# Altium PCB V5_BASE_V17.PcbDoc (part 1 of 2)
Units mm, origin at the board's own origin, x right, y up, seen from the top; angles counter-clockwise.
Board outline 76 x 39 mm, 4 copper layers (Top Layer, Signal Layer 1, Signal Layer 2, Bottom Layer), stack 1.183 mm thick; 141 components, 216 nets, 784 pads, 332 vias.
Unrouted connection lines stored in the file: 1.
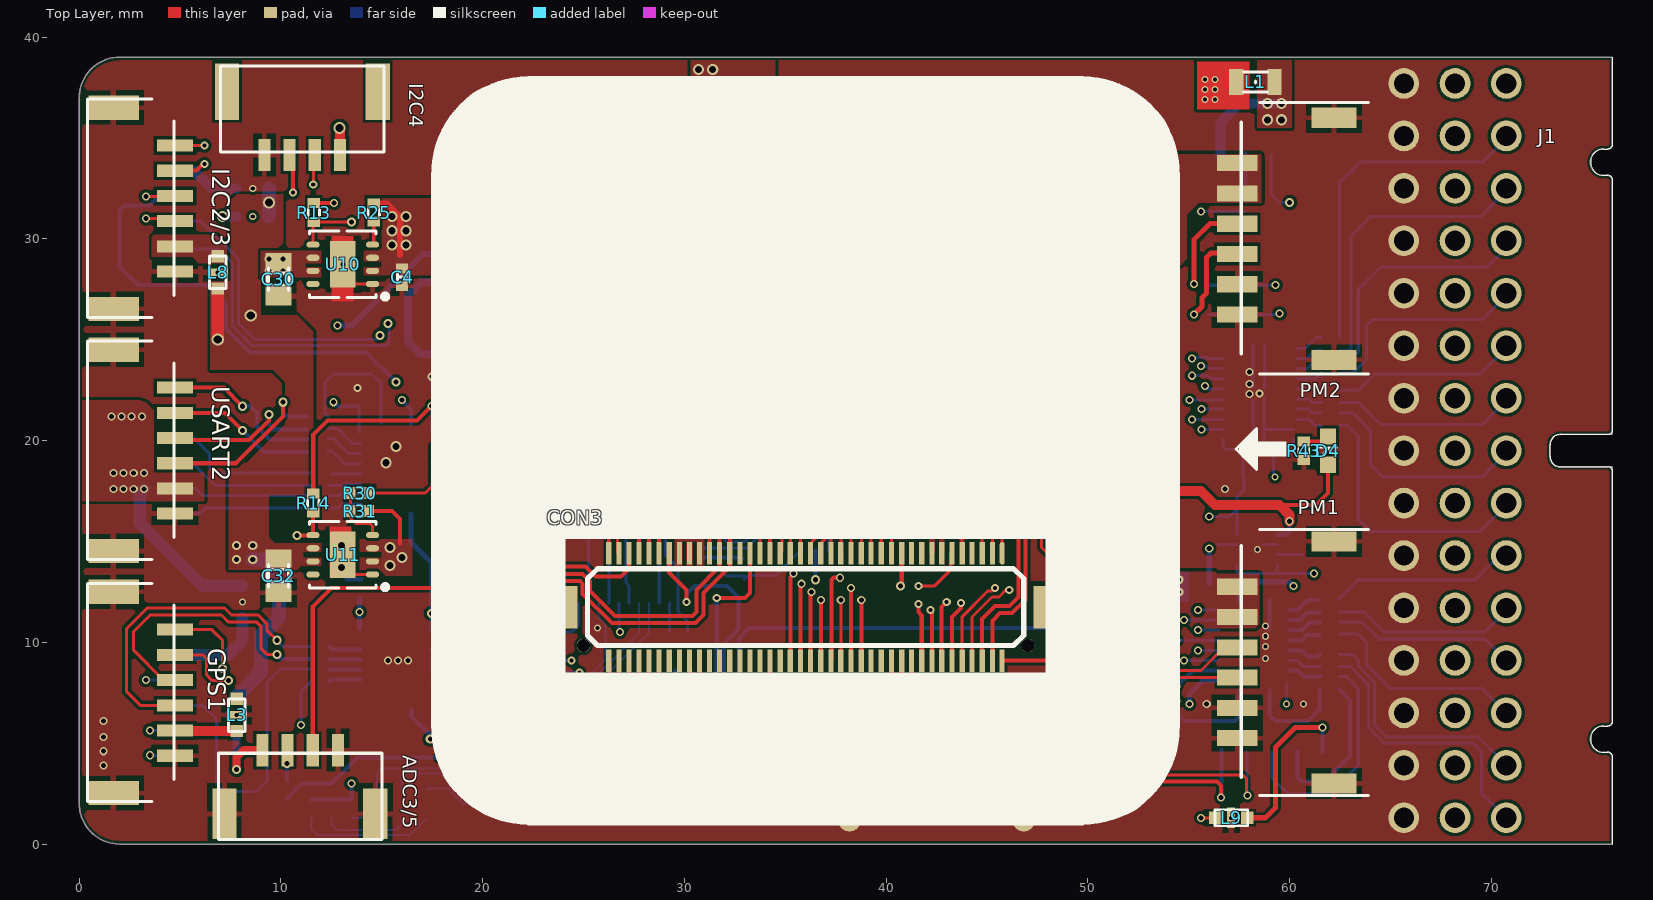
[diagram p0: Top Layer view]
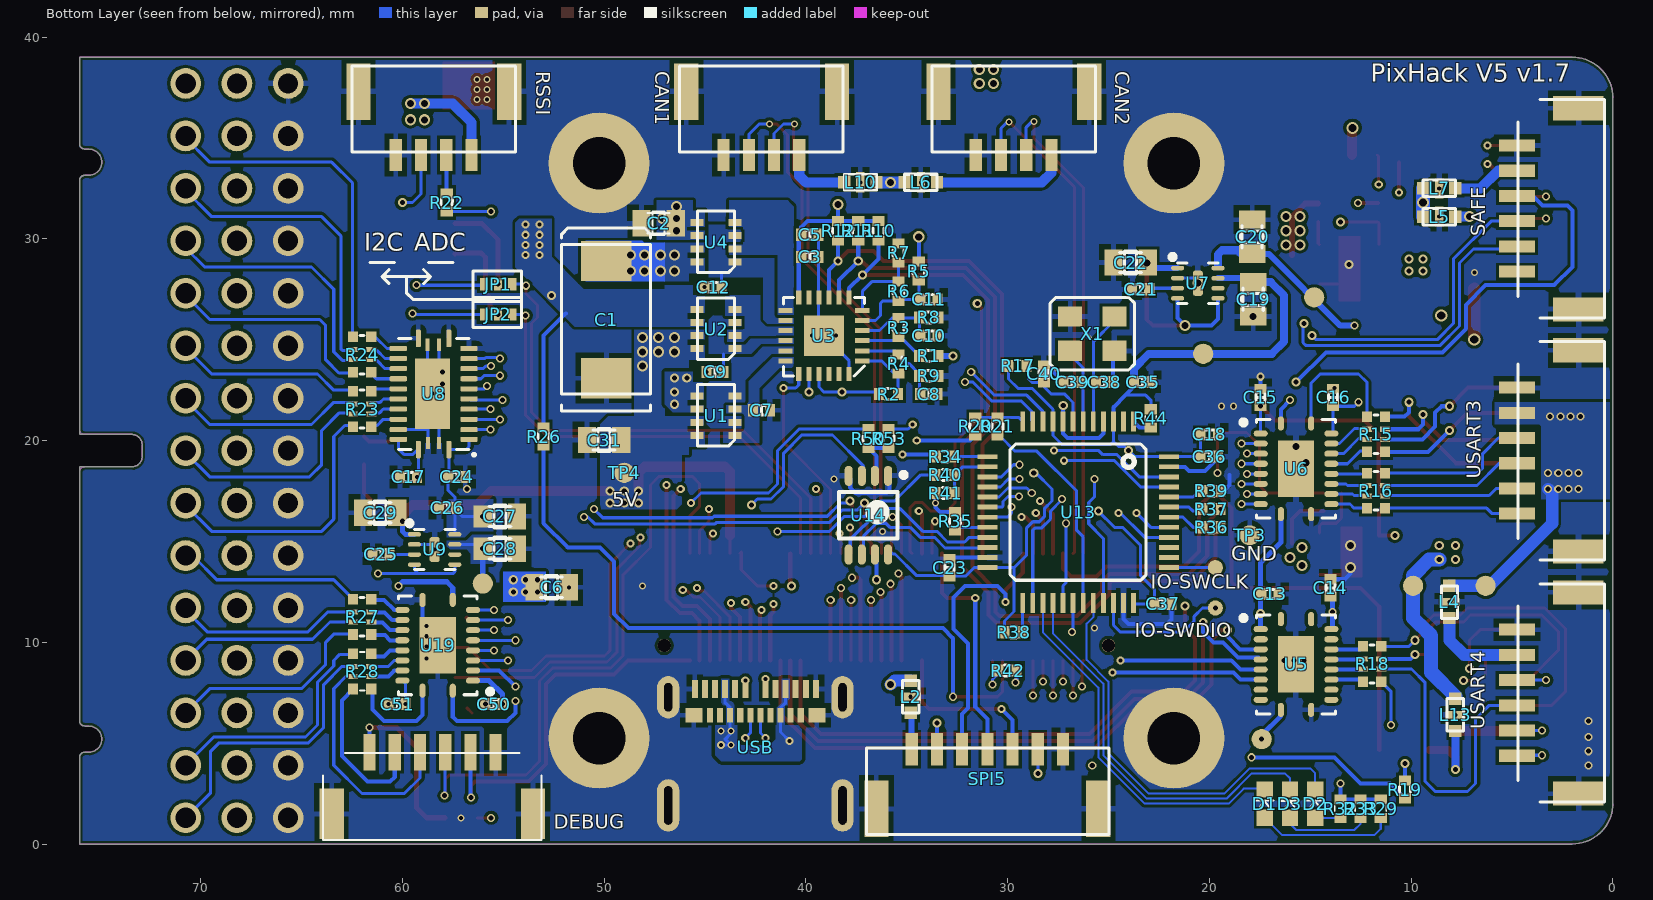
[diagram p1: Bottom Layer view, seen from below]
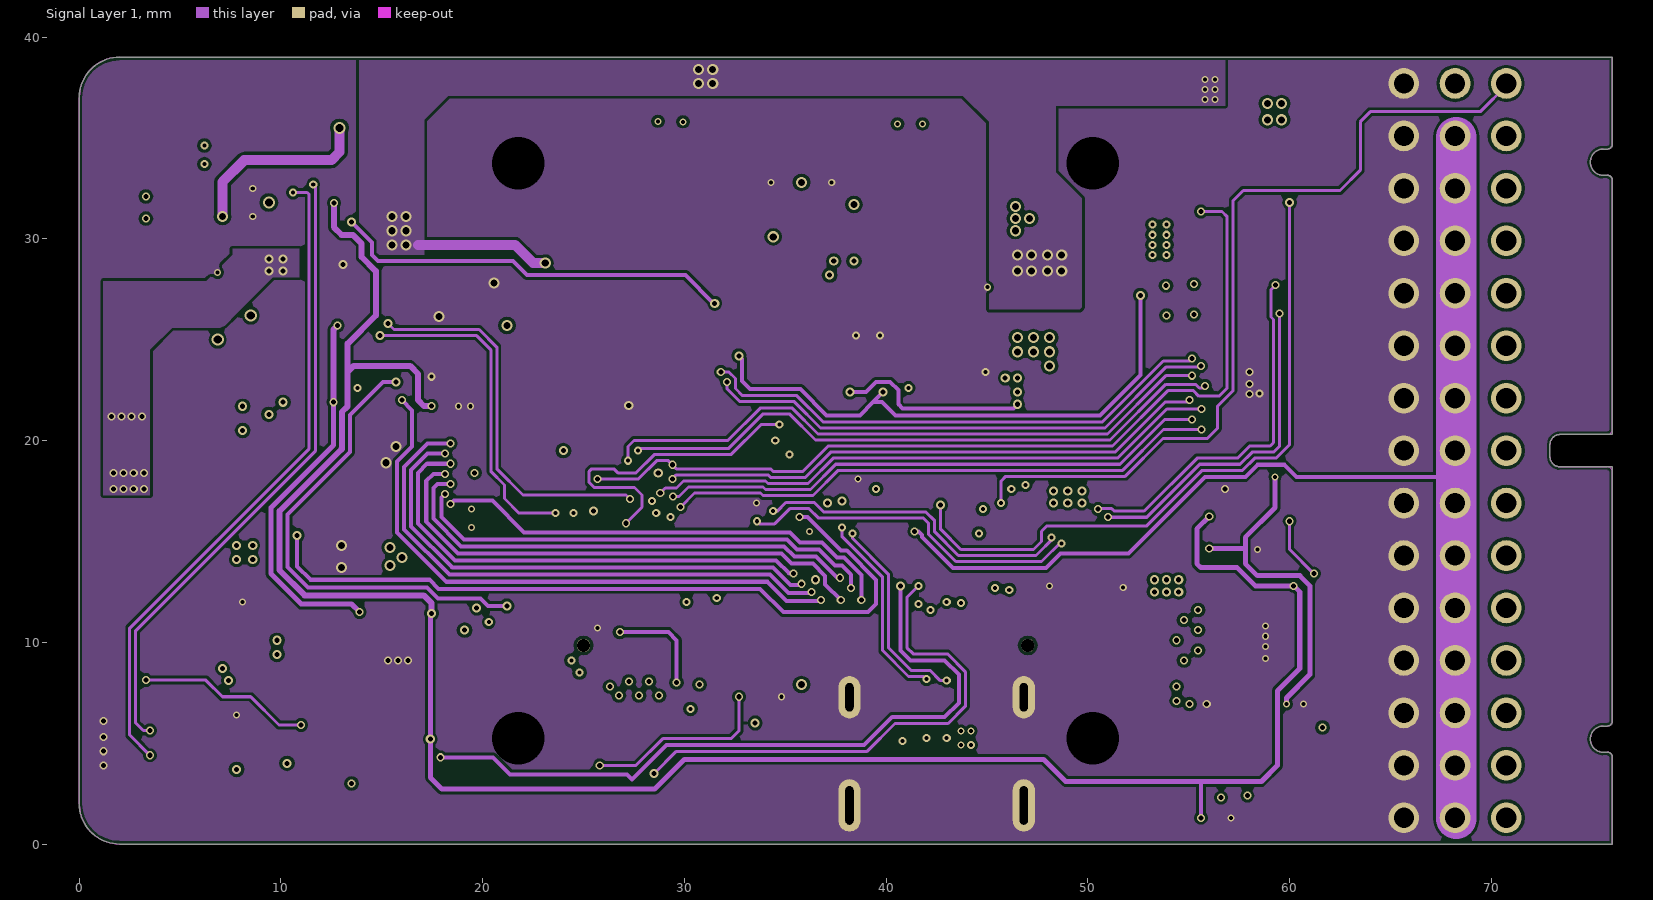
[diagram p2: Signal Layer 1]
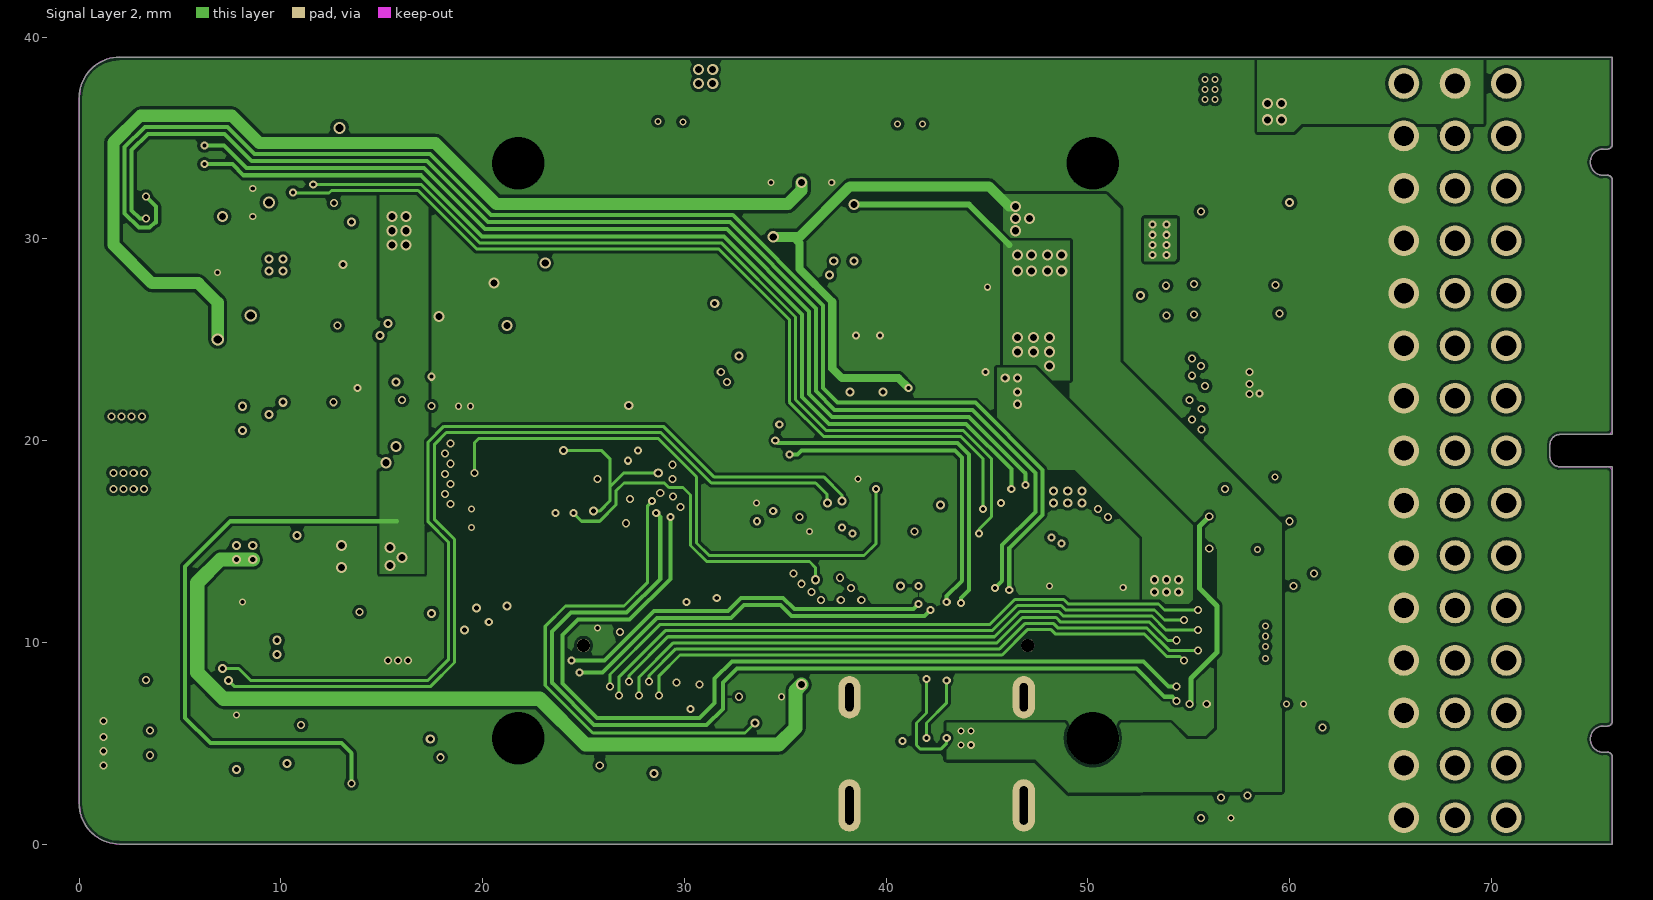
[diagram p3: Signal Layer 2]
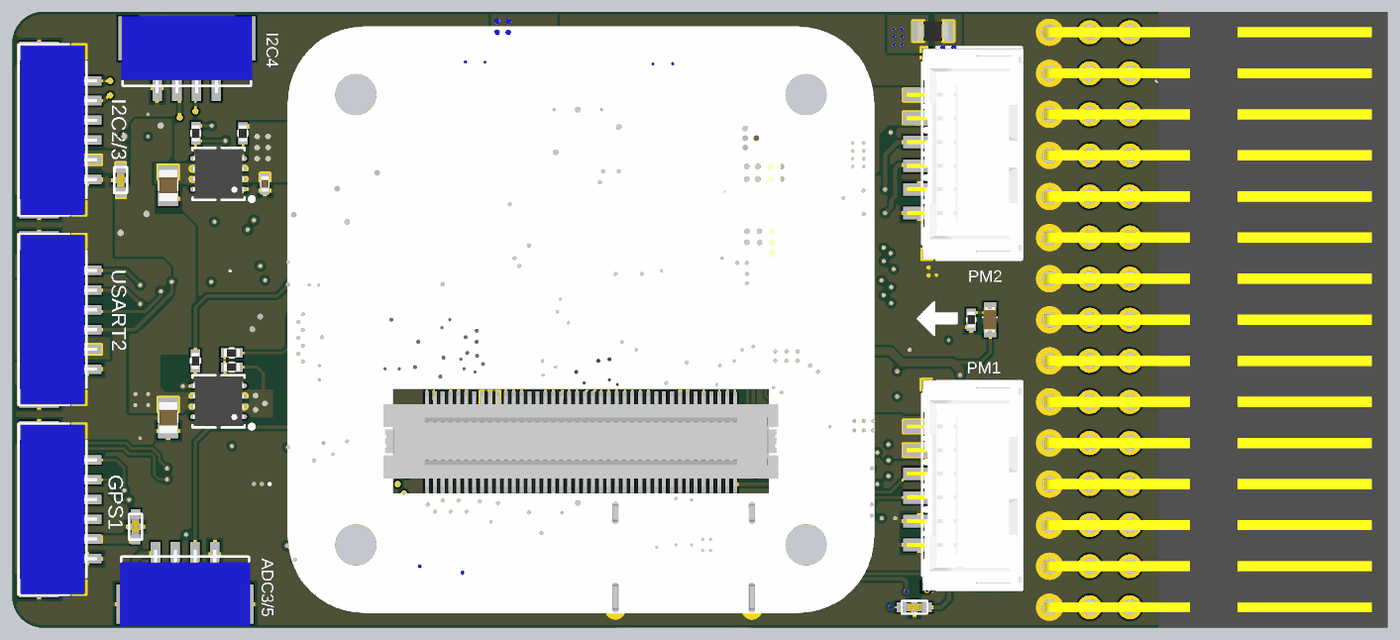
[diagram p5: 3D render of the assembled board from above, using the file's embedded part models]
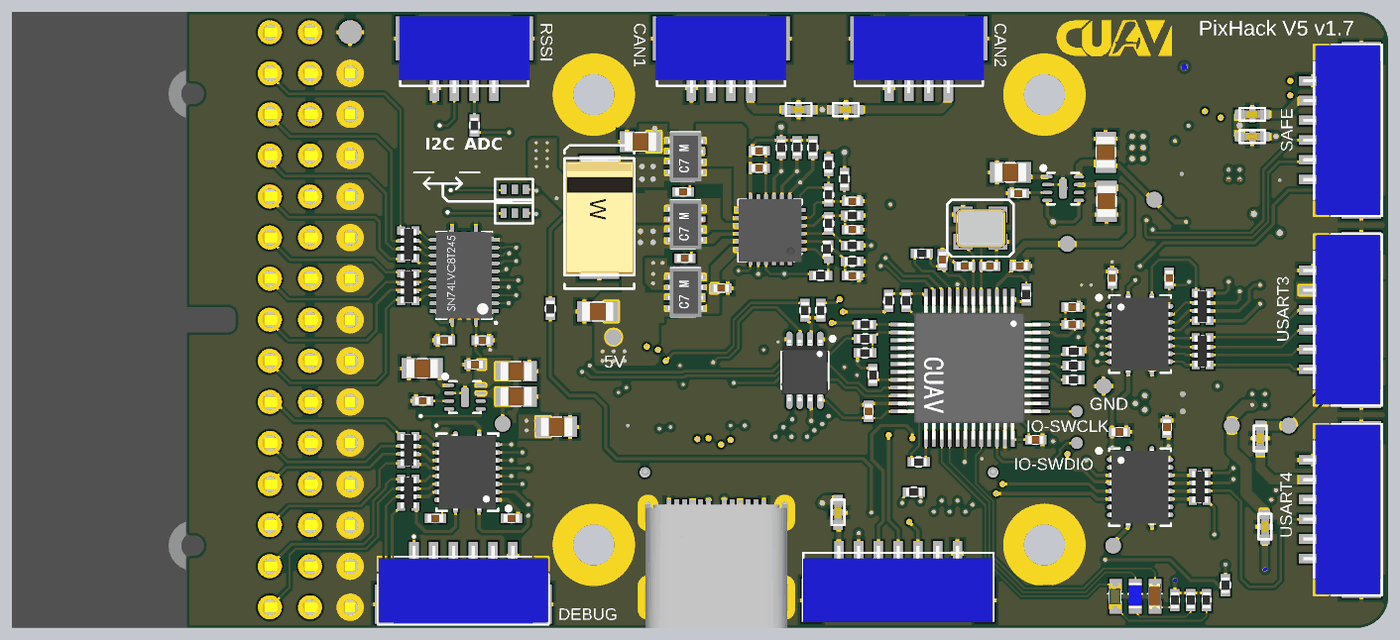
[diagram p6: 3D render of the assembled board from below, using the file's embedded part models]

## Layer stack, top to bottom
Top Solder: solder mask 0.0102, Solder Resist, Dk 3.5
Top Layer: signal copper 0.0356
Dielectric 1: core 0.4, FR-4, Dk 4.2
Signal Layer 1: signal copper 0.036
Dielectric 3: prepreg 0.24, Dk 4.2
Signal Layer 2: signal copper 0.036
Dielectric 2: core 0.4, Dk 4.2
Bottom Layer: signal copper 0.0356
Bottom Solder: solder mask 0.0102, Solder Resist, Dk 3.5

## Board outline
0,2 ccw(c2,2) 2,0 76,0 76,4.3 ccw(c75.75,4.3) 75.75,4.55 75.55,4.55 cw(c75.55,5.2) 75.55,5.85 75.75,5.85 ccw(c75.75,6.1) 76,6.1 76,18.7 73.4,18.7 cw(c73.4,19.2) 72.9,19.2 72.9,19.8 cw(c73.4,19.8) 73.4,20.3 76,20.3 76,32.9 ccw(c75.75,32.9) 75.75,33.15 75.55,33.15 cw(c75.55,33.8) 75.55,34.45 75.75,34.45 ccw(c75.75,34.7) 76,34.7 76,39 2,39 ccw(c2,37) 0,37

## Design rules (kind name [scope] priority, off if disabled: settings)
Clearance [All] p1: gap=0.15
PlaneConnect [All] p1: planeconnectstyle=Direct reliefexpansion=0.508 reliefentries=4 reliefconductorwidth=0.254 reliefairgap=0.254
PolygonConnect [InNet('3V3_ADC')+InNet('VDD_5V_BRICK')+InNet('VDD_5V_BRICK2')+InNet('VDD_5V_IN')+InNet('VBUS_G')+InNet('VBUS_S')+InNet('VBUS_VS')+InNet('VDD_G')+InNet('VDD_VS')+InNet('5V_OUT1')+InNet('5V_OUT2')+InNet('SERVO_G')+InNet('SERVO_VS') +InNet('D1_3V3')+InNet('D2_3V3')+InNet('IO1_3V3')+InNet('IO2_3V3')+InNet('RC_VCC')+InNet('USB_I2C_VCC')    +InNet('GPS1_VCC')+InNet('GPS2_VCC')+InNet('ADC_VCC')+InNet('3V3_ADC')+InNet('IMU_VCC')+InNet('I2C2_VCC')+InNet('I2C3_VCC')+InNet('SAFE_VCC')      +InNet('S_3V3')      +InNet('VBUS')] p1: connectstyle=Direct reliefconductorwidth=0.254 reliefentries=4 polygonreliefangle="90 Angle" airgapwidth=0.254
PolygonConnect PolygonConnect_1 [OnMultiLayer] p2: connectstyle=Direct reliefconductorwidth=0.254 reliefentries=4 polygonreliefangle="90 Angle" airgapwidth=0.254
PolygonConnect PolygonConnect_2 [All] p3: connectstyle=Relief reliefconductorwidth=0.254 reliefentries=4 polygonreliefangle="90 Angle" airgapwidth=0.254
RoomDefinition 08_PX4IO_V2 [InComponentClass('08_PX4IO_V2')] p1: confinementstyle=ConfineIn formatcopy=TRUE lockcomponents=FALSE outline 11.35,-22.6 71.55,-22.6 71.55,-10.7 11.35,-10.7
RoomDefinition 04_POWER_LDO [InComponentClass('04_POWER_LDO')] p2: confinementstyle=ConfineIn formatcopy=TRUE lockcomponents=FALSE outline 77.063,1.436 124.463,1.436 124.463,6.436 77.063,6.436
RoomDefinition 03_Power_Switch [InComponentClass('03_Power_Switch')] p3: confinementstyle=ConfineIn formatcopy=TRUE lockcomponents=FALSE outline 77.163,1.536 179.263,1.536 179.263,12.436 77.163,12.436
RoomDefinition 02_B_TO_B_CON [InComponentClass('02_B_TO_B_CON')] p4: confinementstyle=ConfineIn formatcopy=TRUE lockcomponents=FALSE outline -1.263,37.464 -8.263,37.464 -8.263,9.964 -1.263,9.964
RoomDefinition 05_DATA_IO [InComponentClass('05_DATA_IO')] p5: confinementstyle=ConfineIn formatcopy=TRUE lockcomponents=FALSE outline -1.163,37.464 -28.263,37.464 -28.263,24.364 -1.163,24.364
RoomDefinition 01_Power_IN [InComponentClass('01_Power_IN')] p6: confinementstyle=ConfineIn formatcopy=TRUE lockcomponents=FALSE outline -0.764,36.964 -20.764,36.964 -20.764,19.964 -0.764,19.964
RoomDefinition 06_PWM_IO [InComponentClass('06_PWM_IO')] p7: confinementstyle=ConfineIn formatcopy=TRUE lockcomponents=FALSE outline -1.083,37.482 -23.689,37.482 -23.689,-3.158 -1.083,-3.158
RoutingVias [All] p1: holewidth=0.711 width=1.27 viastyle="Through Hole" minholewidth=0.711 minwidth=1.27 maxholewidth=0.711 maxwidth=1.27
SolderMaskExpansion [All] p1: expansion=0.102
Width [All] p1: maxlimit=2 minlimit=0.1 preferedwidth=0.125 minimp=50.000000 maximp=50.000000 favimp=50.000000
29 further rules are at their usual default settings.

## Classes and differential pairs
component class 04_POWER_LDO: C18 C19 C20 C21 C22 C23 C24 C25 C26 C27 C28 U7 U9
component class 03_Power_Switch: C1 C2 C3 C4 C5 C6 C7 C8 C9 C10 C11 C12 R1 R2 R3 R4 R5 R6 R7 R8 R9 R10 R11 R12 R13 R14 U1 U2 U3 U4
component class 02_B_TO_B_CON: CON3 "PixHack V5 v1.7" TP3 TP4
component class 05_DATA_IO: ADC3/5 AUX_PWM C13 C14 C15 C16 C? CAN1 CAN2 DEBUG GPS1 I2C2/3 I2C4 L2 L3 L4 L5 L6 L7 L8 L9 L10 L13 R15 R16 R18 R19 R22 RSSI SAFE SPI5 U5 U6 U? USART2 USART3 USART4 USB
component class 01_Power_IN: C29 C30 C31 C32 JP1 JP2 PM1 PM2 R25 R26 R30 R31 U10 U11
component class 06_PWM_IO: C17 C50 C51 J1 L1 R23 R24 R27 R28 U8 U19
component class 08_PX4IO_V2: C35 C36 C37 C38 C39 C40 D1 D2 D3 D4 IO-SWCLK IO-SWDIO R17 R20 R21 R29 R32 R33 R34 R35 R36 R37 R38 R39 R40 R41 R42 R43 R44 R50 R53 U13 U14 X1

## Components (designator, comment, footprint, x,y, rotation, side; value= is the part's Value field where it differs from the comment)
ADC3/5 "SM04B-GHS-TB" BM04B-GHS_DC#1 11,2.4 r0 top
C1 "47UF 16V" 7343CAP 49.9,26 r270 bottom
C2 "22UF/16V" 0805CAP#1 47.3,30.8 r180 bottom
C3 "10nf" 0402CAP 39.8,29.1 r0 bottom
C4 "100nf" 0402CAP 16,28.1 r90 top
C5 "100nf" 0402CAP 39.8,30.2 r0 bottom
C6 "22UF/16V" 0805CAP#1 52.6,12.7 r0 bottom
C7 "100nf" 0402CAP 42.2,21.5 r180 bottom
C8 "22NF" 0402CAP 33.9,22.3 r180 bottom
C9 "100nf" 0402CAP 44.5,23.4 r0 bottom
C10 "47NF" 0402CAP 33.9,25.2 r180 bottom
C11 "22NF" 0402CAP 33.9,27 r180 bottom
C12 "100nf" 0402CAP 44.6,27.6 r0 bottom
C13 "100nf" 0402CAP 17,12.4 r0 bottom
C14 "100nf" 0402CAP 14,12.7 r270 bottom
C15 "100nf" 0402CAP 17.464,22.136 r270 bottom
C16 "100nf" 0402CAP 13.864,22.136 r270 bottom
C17 "100nf" 0402CAP 59.7,18.2 r180 bottom
C18 "100NF" 0402CAP 20,20.3 r180 bottom
C19 "47uf/16V" 0805CAP#1 17.8,27 r270 bottom
C20 "47uf/16V" 0805CAP#1 17.9,30.1 r90 bottom
C21 "100NF" 0402CAP 23.4,27.5 r0 bottom
C22 "47uf/16V" 0805CAP#1 23.9,28.8 r0 bottom
C23 "100NF" 0402CAP 32.875,13.7 r270 bottom
C24 "100NF" 0402CAP 57.3,18.2 r180 bottom
C25 "100NF" 0402CAP 61.063,14.364 r0 bottom
C26 "100NF" 0402CAP 57.763,16.664 r180 bottom
C27 "47uf/16V" 0805CAP#2 55.163,16.264 r180 bottom
C28 "47uf/16V" 0805CAP#2 55.163,14.664 r180 bottom
C29 "47uf/16V" 0805CAP#1 61.1,16.4 r0 bottom
C30 "47uf/16V" 0805CAP#1 9.9,28 r270 top
C31 "47uf/16V" 0805CAP#1 50,20 r0 bottom
C32 "47uf/16V" 0805CAP#1 9.9,13.3 r270 top
C35 "0402C100NF" 0402C 23.3,22.9 r0 bottom
C36 "0402C100NF" 0402C 20,19.2 r0 bottom
C37 "0402C100NF" 0402C 22.3,11.9 r0 bottom
C38 "8PF" 0402C 25.2,22.9 r180 bottom
C39 "8PF" 0402C 26.8,22.9 r180 bottom
C40 "0402C100NF" 0402C 28.2,23.3 r90 bottom
C50 "100nf" 0402CAP 55.464,6.936 r180 bottom
C51 "100nf" 0402CAP 60.264,6.936 r180 bottom
CAN1 "SM04B-GHS-TB" BM04B-GHS_DC#2 42.25,36.4 r0 bottom locked
CAN2 "SM04B-GHS-TB" BM04B-GHS_DC#2 29.75,36.4 r0 bottom locked
CON3 "DF17(1.0H)-80DP-0.5V(57)" DF17(1.0H)-80DP-0.5V(57) 36.25,11.75 r0 top
D1 "0603-LED-GREEN" 0603-LED-Green 17.25,2 r90 bottom
D2 "0603_LED_RED" 0603-LED-RED 14.75,2 r90 bottom
D3 "0603-LED-BLUE" 0603-LED-blue 16,2 r90 bottom
D4 "0603_LED_RED" 0603-LED-RED 61.9,19.5 r90 top
DEBUG "SM06B-GHS-TB" BM06B-GHS_DC 58.5,3.3 r180 bottom
GPS1 "SM06B-GHS-TB" SM06B-GHS-TB 3.5,7.5 r90 top
I2C2/3 "SM06B-GHS-TB" SM06B-GHS-TB 3.5,31.5 r90 top
I2C4 "SM04B-GHS-TB" BM04B-GHS_DC#3 11,36.4 r180 top
IO-SWCLK "TP_0.75" TP0.75#1 19.7,13.7 r270 bottom
IO-SWDIO "TP_0.75" TP0.75#1 19.7,11.7 r270 bottom
J1 "v5_IO" V5_IO_PWM 68.2,19.5 r270 top
JP1 "JP" 0402R-SR 55.25,27.75 r0 bottom
JP2 "JP" 0402R-SR 55.25,26.25 r0 bottom
L1 "500MA" 0805l 58.3,37.8 r180 top
L2 "KNH16C104DA5TS" KYOCERA-KNH16-DA 34.8,7.3 r90 bottom
L3 "KNH16C104DA5TS" KYOCERA-KNH16-DA 7.8,6.4 r270 top
L4 "KNH16C104DA5TS" KYOCERA-KNH16-DA 8.1,12 r270 bottom
L5 "KNH16C104DA5TS" KYOCERA-KNH16-DA 8.6,31.1 r0 bottom
L6 "KNH16C104DA5TS" KYOCERA-KNH16-DA 34.3,32.8 r0 bottom
L7 "KNH16C104DA5TS" KYOCERA-KNH16-DA 8.6,32.5 r180 bottom
L8 "KNH16C104DA5TS" KYOCERA-KNH16-DA 6.864,28.336 r90 top
L9 "KNH16C104DA5TS" KYOCERA-KNH16-DA 57.1,1.3 r0 top
L10 "KNH16C104DA5TS" KYOCERA-KNH16-DA 37.3,32.8 r180 bottom
L13 "KNH16C104DA5TS" KYOCERA-KNH16-DA 7.8,6.4 r90 bottom
"PixHack V5 v1.7" "CUAV" CUAV 17.25,37.25 r180 bottom
PM1 "505405-0670" 5054050660#1 59.5,9 r270 top
PM2 "505405-0670" 5054050660#2 59.5,30 r270 top
R1 "309k" R0402#1 33.9,24.2 r180 bottom
R2 "453K" R0402#1 35.9,22.3 r0 bottom
R3 "24.9k" R0402#1 35.4,25.6 r270 bottom
R4 "56K" R0402#2 35.5,24 r90 bottom
R5 "453K" R0402#1 34.4,28.4 r90 bottom
R6 "56K" R0402#1 35.4,27.4 r270 bottom
R7 "105k" R0402#1 35.4,29.3 r270 bottom
R8 "75k" R0402#1 33.9,26.1 r0 bottom
R9 "105k" R0402#1 33.9,23.2 r0 bottom
R10 "1M" R0402#1 36.4,30.4 r270 bottom
R11 "1M" R0402#1 37.4,30.4 r270 bottom
R12 "1M" R0402#1 38.4,30.4 r270 bottom
R13 "105k" R0402#1 11.625,31.3 r90 top
R14 "105k" R0402#1 11.6,16.9 r90 top
R15 "100R" 0402_4r 11.764,20.336 r270 bottom
R16 "100R" 0402_4r 11.764,17.536 r270 bottom
R17 "10K" 0402R 29.5,23.7 r0 bottom
R18 "100R" 0402_4r 11.9,8.9 r90 bottom
R19 "0402R1K" 0402R 10.3,2.7 r90 bottom
R20 "200R" 0402R 31.6,20.7 r270 bottom
R21 "200R" 0402R 30.5,20.7 r270 bottom
R22 "0402R100R" 0402R 57.8,31.8 r90 bottom
R23 "100R" 0402_4r 61.964,21.536 r90 bottom
R24 "100R" 0402_4r 61.964,24.236 r90 bottom
R25 "0402R10K" 0402R 14.6,31.3 r90 top
R26 "100R" 0402R 53,20.2 r90 bottom
R27 "100R" 0402_4r 61.964,11.236 r90 bottom
R28 "100R" 0402_4r 61.964,8.536 r90 bottom
R29 "1K" 0402R 11.5,1.75 r90 bottom
R30 "0402R1K/NC" 0402R 13.9,17.4 r0 top
R31 "0402R10K" 0402R 13.9,16.5 r0 top
R32 "1K" 0402R 13.5,1.75 r90 bottom
R33 "1K" 0402R 12.5,1.75 r90 bottom
R34 "200R" 0402R 33.1,19.2 r0 bottom
R35 "10K" 0402R 32.6,16 r90 bottom
R36 "200R" 0402R 19.9,15.7 r180 bottom
R37 "200R" 0402R 19.9,16.6 r180 bottom
R38 "200R" 0402R 29.7,10.5 r0 bottom
R39 "10K" 0402R 19.9,17.5 r0 bottom
R40 "20K/10K" R0402#1 33.1,18.3 r180 bottom
R41 "10K/5.1K" R0402#1 33.1,17.4 r180 bottom
R42 "200R" 0402R 30,8.6 r0 bottom
R43 "200R" 0402R 60.7,19.5 r270 top
R44 "100R" 0402R 22.9,21.1 r270 bottom
R50 "220R" R0402#1 36.9,20.1 r270 bottom
R53 "2K" R0402#1 35.9,20.1 r90 bottom
RSSI "SM04B-GHS-TB" BM04B-GHS_DC#2 58.5,36.4 r0 bottom
SAFE "SM06B-GHS-TB" SM06B-GHS-TB 3.5,31.5 r270 bottom
SPI5 "SM07B-GHS-TB" SM07B-GHS 31,4.7 r180 bottom
TP3 "GND" TP0.75#2 18,15.3 r0 bottom
TP4 "5V" TP0.75#2 49,18.4 r180 bottom
U1 "NTHD4102PT1G" 1206-8 44.536,21.236 r90 bottom
U2 "NTHD4102PT1G" 1206-8 44.536,25.536 r90 bottom
U3 "LTC4417IUF#PBF" QFN24 39.1,25.2 r0 bottom
U4 "NTHD4102PT1G" 1206-8 44.536,29.836 r90 bottom
U5 "TXS0108E" VQFN20 15.7,8.9 r180 bottom
U6 "TXS0108E" VQFN20 15.7,18.6 r180 bottom
U7 "MIC5330-SSYML" MIC5530 20.568,27.8 r180 bottom
U8 "SN74LVC8T245" QFN24-RGY 58.5,22.2 r90 bottom
U9 "MIC5330-SSYML" MIC5530 58.4,14.6 r180 bottom
U10 "AP2311FGEG-7" QFN8_0.65 13.064,28.736 r180 top
U11 "AP2311FGEG-7" QFN8_0.65 13.064,14.336 r180 top
U13 "ST STM32F101/103 48pin LQFP" TQFP48 26.6,16.3 r270 bottom
U14 "74LVC2G240DP" TSSOP8 36.9,16.3 r270 bottom
U19 "TXS0108E" VQFN20 58.25,9.85 r0 bottom
USART2 "SM06B-GHS-TB" SM06B-GHS-TB 3.5,19.5 r90 top
USART3 "SM06B-GHS-TB" SM06B-GHS-TB 3.5,19.5 r270 bottom
USART4 "SM06B-GHS-TB" SM06B-GHS-TB 3.5,7.5 r270 bottom
USB "1054500101" 1054500101 42.5,4.15 r180 bottom locked
X1 "Crystal Oscillator in 3.2x2.5 SMD" 3225 25.8,25.3 r0 bottom

## Footprints (in the part's own frame and the unit in brackets; to place one, negate y for a bottom-side part, rotate by r counter-clockwise, add the part's x,y. Pads: shape width x height; smd on the part's side, far side on the other; paste and mask are expansions set on the pad)
0402_4r [mm]
  rect 0.525x0.5 smd: 1(-0.85,-0.425) 4(0.9,-0.425) 5(0.9,0.475) 8(-0.85,0.475)
  rect 0.25x0.5 smd: 2(-0.225,-0.425) 3(0.275,-0.425) 6(0.275,0.475) 7(-0.225,0.475)
  silkscreen extent -0.93,-0.08 0.97,0.12, body extent -0.97,-0.5 1.03,0.5, height 0.45
0402C [mm]
  rect 0.5x0.6 smd: 1(-0.425,0) 2(0.425,0)
  silkscreen extent -0.18,-0.23 0.17,0.23, body extent -0.5,-0.25 0.5,0.25, height 0.5
0402CAP [mm]
  rect 0.5x0.6 smd: 1(-0.425,0) 2(0.425,0)
  silkscreen extent -0.18,-0.23 0.17,0.23, body extent -0.5,-0.25 0.5,0.25, height 0.5
0402R [mm]
  rect 0.5x0.6 smd: 1(-0.45,0) 2(0.45,0)
  silkscreen extent -0.13,-0.27 0.14,0.28, body extent -0.51,-0.25 0.49,0.25, height 0.3
0402R-SR [mm]
  rect 0.4x0.6 smd: 1(-0.7,0) 2(0,0) 3(0.7,0)
0603-LED-blue [mm]
  rect 0.8x0.8 smd: 1(-0.7,0) 2(0.7,0)
  silkscreen extent -0.16,-0.45 0.15,0.47, body extent -0.75,-0.4 0.85,0.4, height 0.8
0603-LED-Green [mm]
  rect 0.8x0.8 smd: 1(-0.7,0) 2(0.7,0)
  silkscreen extent -0.16,-0.44 0.15,0.48, body extent -0.83,-0.38 0.77,0.42, height 0.6
0603-LED-RED [mm]
  rect 0.8x0.8 smd: 1(-0.7,0) 2(0.7,0)
  silkscreen extent -0.16,-0.44 0.15,0.48, body extent -0.81,-0.37 0.81,0.43, height 0.6
0805CAP#1 [mm]
  rect 0.9x1.3 smd: 1(-0.85,-0.025) 2(0.85,-0.025)
  silkscreen extent -0.55,-0.6 0.55,0.55, body extent -1,-0.62 1,0.58, height 1.2
0805CAP#2 [mm]
  rect 0.9x1.1 smd: 1(-0.85,-0.025)
  rect 0.9x1.3 smd: 2(0.85,-0.025)
  silkscreen extent -0.55,-0.6 0.55,0.55, body extent -1,-0.62 1,0.58, height 1.2
0805l [mm]
  rect 0.7x1.3 smd: 1(-0.95,0.025) 2(0.95,0.025)
  silkscreen extent -0.6,-0.47 0.6,0.53, body extent -0.97,-0.6 1.03,0.65, height 0.45
1206-8 [mm]
  rect 0.35x0.65 smd: 1(-0.983,-1.027) 2(-0.333,-1.027) 3(0.317,-1.027) 4(0.967,-1.027) 5(-0.983,0.855) 6(-0.333,0.855) 7(0.317,0.855) 8(0.967,0.855)
  silkscreen extent -1.52,-1 1.53,0.83, body extent -1.56,-1.19 1.54,1.01, height 1.1
3225 [mm]
  rect 1.2x1 smd: 1(1.1,0.85) 2(-1.1,0.85) 3(-1.1,-0.85) 4(1.1,-0.85)
  silkscreen extent -2.1,-1.8 2.4,2.1, body extent -1.63,-1.24 1.57,1.26, height 0.6
7343CAP [mm]
  rect 2x2.5 smd: A(-2.903,0) C(2.903,0)
  silkscreen extent -4.53,-2.2 4.53,2.2, body extent -3.63,-2.12 3.67,2.18, height 2.25
1054500101 [mm]
  oval 1.1x2.6 hole 0.4 slot 1.9 at 90 deg: 0(-4.32,-2.235) 0(4.32,-2.235)
  oval 1.1x2.1 / inner oval 1.1x2.1 / far side oval 0.9x1.8 hole 0.4 slot 1.4 at 90 deg: 0(-4.32,3.125) 0(4.32,3.125)
  rect 0.3x0.9 smd: A1(-3,3.535) A2(-2.5,3.535) A3(-2,3.535) A4(-1.5,3.535) A5(-1,3.535) A6(-0.5,3.535) A7(0.5,3.535) A8(1,3.535) A9(1.5,3.535) A10(2,3.535) A11(2.5,3.535) A12(3,3.535)
  rect 0.85x0.7 smd: B1(3.05,2.235) B12(-3.05,2.235)
  rect 0.3x0.7 smd: B2(2.25,2.235) B3(1.75,2.235) B4(1.25,2.235) B5(0.75,2.235) B6(0.25,2.235) B7(-0.25,2.235) B8(-0.75,2.235) B9(-1.25,2.235) B10(-1.75,2.235) B11(-2.25,2.235)
  body extent -4.47,-4.16 4.47,3.74, height 3.23
5054050660#1 [mm]
  rect 1.9x1 on Top Solder: 0(-2.125,4) 0(2.125,4)
  rect 0.8x2 smd: 1(-3.75,-2.1) 2(-2.25,-2.1) 3(-0.75,-2.1) 4(0.75,-2.1) 5(2.25,-2.1) 6(3.75,-2.1)
  rect 1x2.25 smd: 6(-6,2.7) 6(6,2.7)
  silkscreen extent -6.6,-1.9 6.6,4.4, body extent -6.65,-2.9 6.65,4.5, height 7.33
5054050660#2 [mm]
  rect 1.9x1 on Top Solder: 0(-2.125,4) 0(2.125,4)
  rect 0.8x2 smd: 1(-3.75,-2.1) 2(-2.25,-2.1) 3(-0.75,-2.1) 4(0.75,-2.1) 5(2.25,-2.1) 6(3.75,-2.1)
  rect 1x2.25 smd: 5(6,2.7) 6(-6,2.7)
  silkscreen extent -6.75,-1.9 6.7,4.4, body extent -6.65,-2.9 6.65,4.5, height 7.33
BM04B-GHS_DC#1 [mm]
  rect 0.6x1.6 smd: 1(-1.925,2.25) 2(-0.675,2.25) 3(0.575,2.25) 4(1.825,2.25)
  rect 1.2x2.5 smd: 4(-3.8,-0.9) 4(3.675,-0.9)
  silkscreen extent -4.1,-2.18 4,2.1, body extent -4.18,-2.3 4.07,2.55, height 4.35
BM04B-GHS_DC#2 [mm]
  rect 0.6x1.6 smd: 1(-1.925,2.25) 2(-0.675,2.25) 3(0.575,2.25) 4(1.825,2.25)
  rect 1.2x2.8 smd: 4(-3.8,-0.9) 4(3.675,-0.9)
  silkscreen extent -4.1,-2.18 4,2.1, body extent -4.18,-2.3 4.07,2.55, height 4.35
BM04B-GHS_DC#3 [mm]
  rect 1.2x2.8 smd: 0(-3.8,-0.9) 0(3.675,-0.9)
  rect 0.6x1.6 smd: 1(-1.925,2.25) 2(-0.675,2.25) 3(0.575,2.25) 4(1.825,2.25)
  silkscreen extent -4.1,-2.18 4,2.1, body extent -4.18,-2.3 4.07,2.55, height 4.35
BM06B-GHS_DC [mm]
  rect 0.6x1.8 smd: 1(-3.125,1.25) 2(-1.875,1.25) 3(-0.625,1.25) 4(0.625,1.25) 5(1.875,1.25) 6(3.125,1.25)
  rect 1.2x2.5 smd: 6(-5,-1.8) 6(4.975,-1.8)
  silkscreen extent -5.43,-3.1 5.4,1.2, body extent -5.37,-2.97 5.38,1.88, height 4.35